# KiCad board boatcontrol.kicad_pcb
title: BoatControl; date: 2021-05-05; rev: 11; company: Rugludallur; note: A complete elecrical system for marine application; note: https://github.com/antevens/boatcontrol; note: a@ant.st; note: da722b84cf2b5c5cf669b6b47f6fbf1dc74fe127
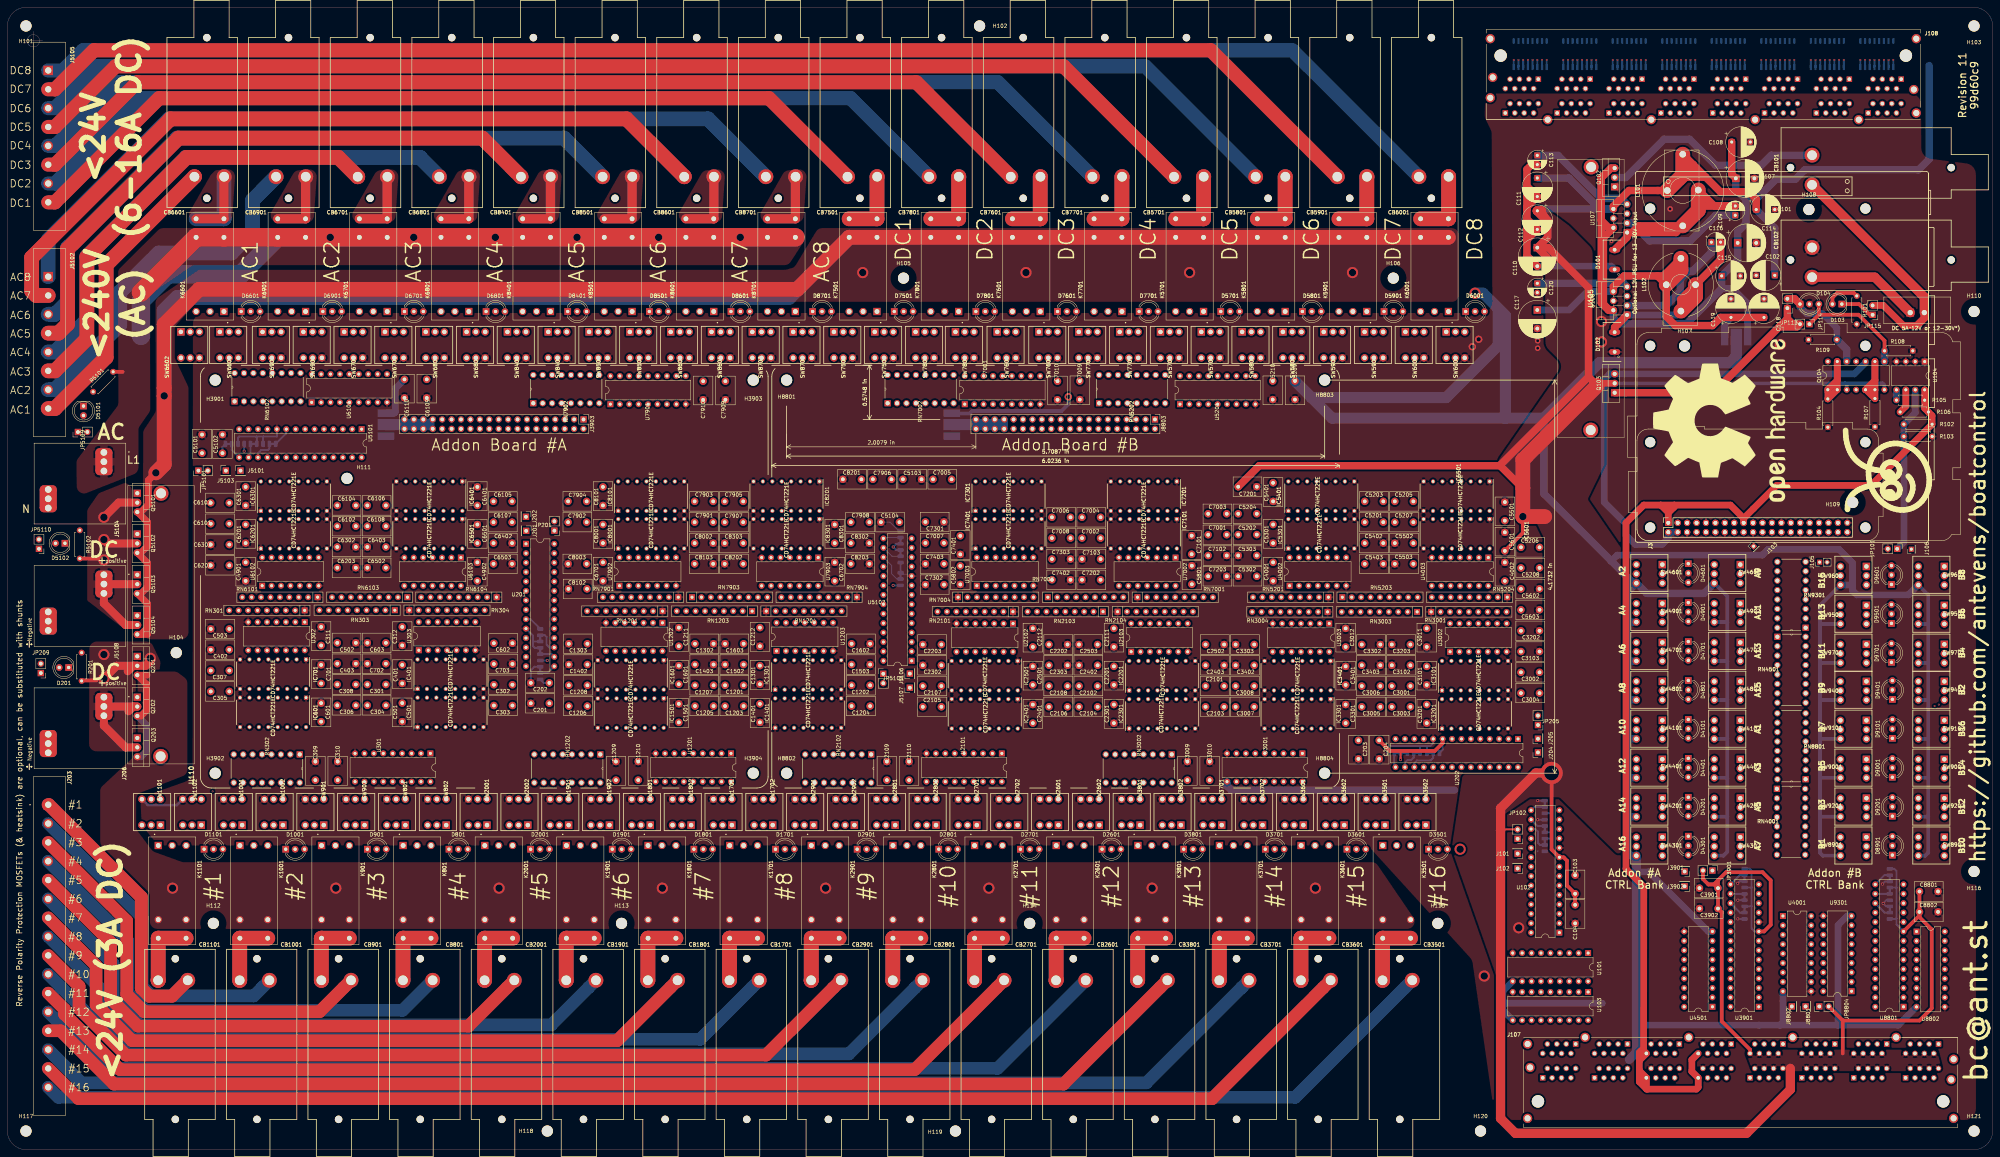
[diagram p0: board, top side]
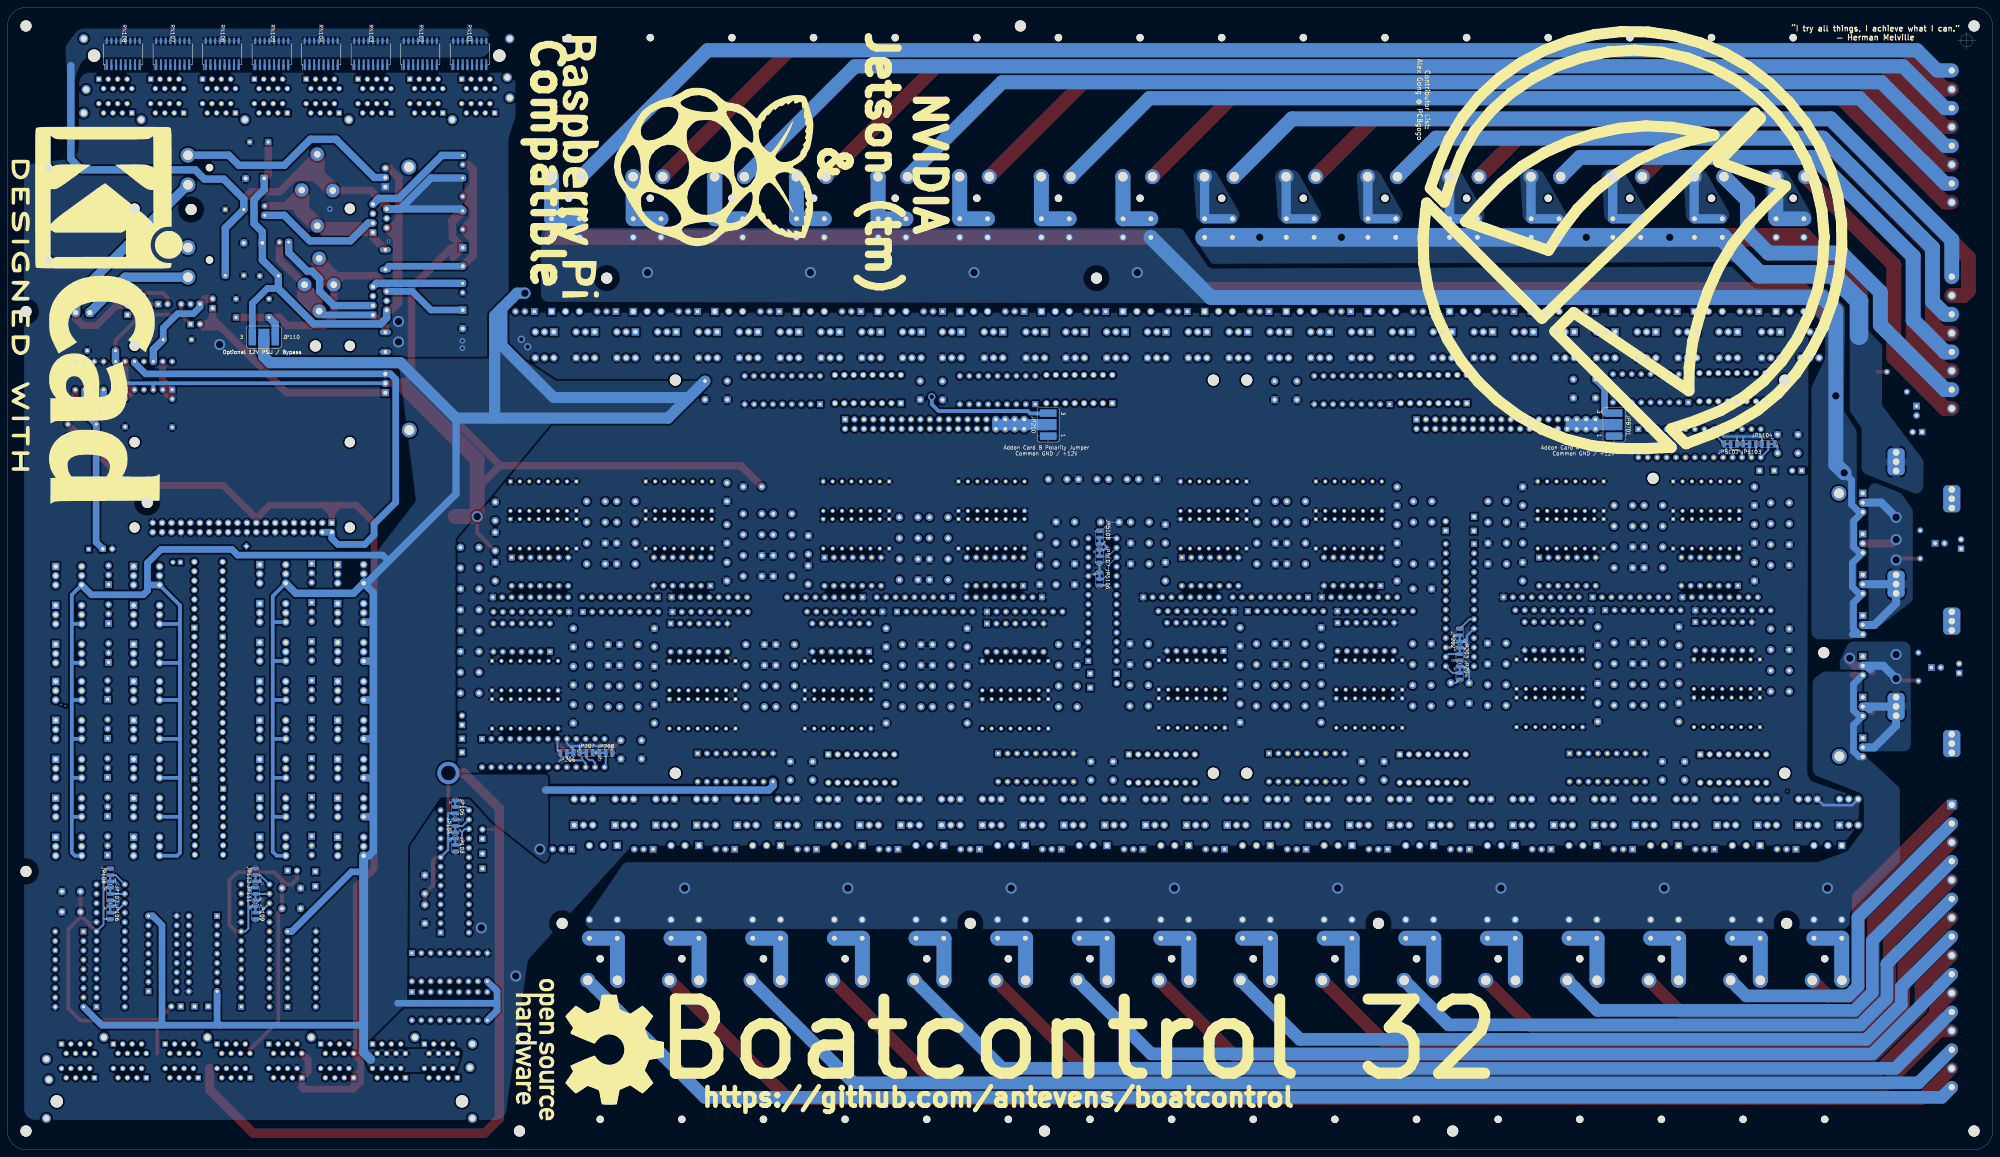
[diagram p1: board, bottom side, seen from below]

Outline 535 x 308 mm; copper layers: Top (plane), In1.Cu, In2.Cu, Bottom (plane). Coordinates in mm from the lower left corner of the outline.
Outline path: 0,303 0,5 arc(1.46,1.46) 5,0 530,0 arc(533.54,1.46) 535,5 535,303 arc(533.54,306.54) 530,308 5,308 arc(1.46,306.54) 0,303

## Placement (name value [footprint] x y rotation side)
C101  10uF  [CP_Radial_D8.0mm_P5.00mm]  471.3 253.5 0 top
C102  0.1uF  [CP_Radial_D8.0mm_P5.00mm]  476.3 235.75 180 top
C103  10uF  [C_Disc_D7.5mm_W5.0mm_P5.00mm]  422.5 69 90 top
C104  0.1uF  [C_Disc_D7.5mm_W5.0mm_P5.00mm]  422.5 66 270 top
C107  Illinois Capacitor  [CP_Radial_D10.0mm_P5.00mm]  465.8 261.9 0 top
C108  0.22uF  [CP_Radial_D8.0mm_P5.00mm]  464.7 271.7 0 top
C109  C320C103K1R5TA  [CP_Radial_D5.0mm_P2.50mm]  465.65 251.95 90 top
C110  330UF  [CP_Radial_D10.0mm_P5.00mm]  412.3 243.22 270 top
C111  0.22uF  [CP_Radial_D8.0mm_P5.00mm]  412.3 262 270 top
C112  10uF  [CP_Radial_D8.0mm_P5.00mm]  412.3 253.14 270 top
C113  C315C102K1R5TA7301  [CP_Radial_D5.0mm_P2.50mm]  412.3 268.1 270 top
C114  Illinois Capacitor  [CP_Radial_D10.0mm_P5.00mm]  466.3 244.5 0 top
C115  0.22uF  [CP_Radial_D8.0mm_P5.00mm]  462 235.6 0 top
C116  C320C103K1R5TA  [CP_Radial_D5.0mm_P2.50mm]  459.2 244.7 0 top
C117  330UF  [CP_Radial_D10.0mm_P5.00mm]  412.3 226.4 270 top
C118  0.22uF  [CP_Radial_D8.0mm_P5.00mm]  473.4 224.4 90 top
C119  10uF  [CP_Radial_D8.0mm_P5.00mm]  464.5 224.4 90 top
C120  C315C272K1R5TA  [CP_Radial_D5.0mm_P2.50mm]  412.3 233.6 270 top
C201  10μF  [C_Disc_D7.5mm_W5.0mm_P5.00mm]  146.05 120.35 180 top
C202  0.1μF  [C_Disc_D7.5mm_W5.0mm_P5.00mm]  146.05 125.85 180 top
C203  10μF  [C_Disc_D7.5mm_W5.0mm_P5.00mm]  364.11 110.35 270 top
C204  0.1μF  [C_Disc_D7.5mm_W5.0mm_P5.00mm]  369.7 110.35 270 top
C301  1µF  [C_Disc_D7.5mm_W5.0mm_P5.00mm]  102 125.42 180 top
C302  1uF  [C_Disc_D7.5mm_W5.0mm_P5.00mm]  136.1 125.35 180 top
C303  1µF  [C_Disc_D7.5mm_W5.0mm_P5.00mm]  131.1 119.75 0 top
C304  1µF  [C_Disc_D7.5mm_W5.0mm_P5.00mm]  102 119.8 180 top
C305  1µF  [C_Disc_D7.5mm_W5.0mm_P5.00mm]  54.8 123.55 0 top
C306  1µF  [C_Disc_D7.5mm_W5.0mm_P5.00mm]  88.9 119.8 0 top
C307  1µF  [C_Disc_D7.5mm_W5.0mm_P5.00mm]  54.8 129.18 0 top
C308  1µF  [C_Disc_D7.5mm_W5.0mm_P5.00mm]  88.9 125.42 0 top
C309  10uF  [C_Disc_D7.5mm_W5.0mm_P5.00mm]  83 99.63 90 top
C310  0.1uF  [C_Disc_D7.5mm_W5.0mm_P5.00mm]  89 99.63 90 top
C311  0.1uF  [C_Disc_D7.5mm_W5.0mm_P5.00mm]  84.55 135.95 90 top
C312  0.1uF  [C_Disc_D7.5mm_W5.0mm_P5.00mm]  106.4 140.95 270 top
C401  0.1μF  [C_Disc_D7.5mm_W5.0mm_P5.00mm]  106.4 130.7 270 top
C402  1µF  [C_Disc_D7.5mm_W5.0mm_P5.00mm]  54.8 134.8 0 top
C403  1µF  [C_Disc_D7.5mm_W5.0mm_P5.00mm]  93.9 131.03 180 top
C501  0.1μF  [C_Disc_D7.5mm_W5.0mm_P5.00mm]  106.4 120.4 270 top
C502  1µF  [C_Disc_D7.5mm_W5.0mm_P5.00mm]  93.9 136.65 180 top
C503  1µF  [C_Disc_D7.5mm_W5.0mm_P5.00mm]  54.8 140.4 0 top
C601  0.1μF  [C_Disc_D7.5mm_W5.0mm_P5.00mm]  84.55 115.4 90 top
C602  1µF  [C_Disc_D7.5mm_W5.0mm_P5.00mm]  136.1 136.55 180 top
C603  1µF  [C_Disc_D7.5mm_W5.0mm_P5.00mm]  97 136.65 0 top
C701  0.1μF  [C_Disc_D7.5mm_W5.0mm_P5.00mm]  84.55 125.7 90 top
C702  1µF  [C_Disc_D7.5mm_W5.0mm_P5.00mm]  97 131.03 0 top
C703  1µF  [C_Disc_D7.5mm_W5.0mm_P5.00mm]  136.1 130.95 180 top
C1201  1µF  [C_Disc_D7.5mm_W5.0mm_P5.00mm]  198.4 125.2 180 top
C1202  1uF  [C_Disc_D7.5mm_W5.0mm_P5.00mm]  232.5 125.2 180 top
C1203  1µF  [C_Disc_D7.5mm_W5.0mm_P5.00mm]  193.4 119.6 0 top
C1204  1µF  [C_Disc_D7.5mm_W5.0mm_P5.00mm]  227.5 119.6 0 top
C1205  1µF  [C_Disc_D7.5mm_W5.0mm_P5.00mm]  185.3 119.6 0 top
C1206  1µF  [C_Disc_D7.5mm_W5.0mm_P5.00mm]  151.3 119.6 0 top
C1207  1µF  [C_Disc_D7.5mm_W5.0mm_P5.00mm]  190.3 125.2 180 top
C1208  1µF  [C_Disc_D7.5mm_W5.0mm_P5.00mm]  156.3 125.2 180 top
C1209  10uF  [C_Disc_D7.5mm_W5.0mm_P5.00mm]  164 99.63 90 top
C1210  0.1uF  [C_Disc_D7.5mm_W5.0mm_P5.00mm]  170 99.63 90 top
C1211  0.1uF  [C_Disc_D7.5mm_W5.0mm_P5.00mm]  180.95 135.75 90 top
C1212  0.1uF  [C_Disc_D7.5mm_W5.0mm_P5.00mm]  202.8 140.75 270 top
C1301  0.1μF  [C_Disc_D7.5mm_W5.0mm_P5.00mm]  202.8 130.5 270 top
C1302  1µF  [C_Disc_D7.5mm_W5.0mm_P5.00mm]  190.3 136.4 180 top
C1303  1µF  [C_Disc_D7.5mm_W5.0mm_P5.00mm]  151.3 136.4 0 top
C1401  0.1μF  [C_Disc_D7.5mm_W5.0mm_P5.00mm]  202.8 120.2 270 top
C1402  1µF  [C_Disc_D7.5mm_W5.0mm_P5.00mm]  151.3 130.8 0 top
C1403  1µF  [C_Disc_D7.5mm_W5.0mm_P5.00mm]  190.3 130.8 180 top
C1501  0.1μF  [C_Disc_D7.5mm_W5.0mm_P5.00mm]  180.95 115.2 90 top
C1502  1µF  [C_Disc_D7.5mm_W5.0mm_P5.00mm]  193.4 130.8 0 top
C1503  1µF  [C_Disc_D7.5mm_W5.0mm_P5.00mm]  232.5 130.8 180 top
C1601  0.1μF  [C_Disc_D7.5mm_W5.0mm_P5.00mm]  180.95 125.5 90 top
C1602  1µF  [C_Disc_D7.5mm_W5.0mm_P5.00mm]  232.5 136.4 180 top
C1603  1µF  [C_Disc_D7.5mm_W5.0mm_P5.00mm]  193.4 136.4 0 top
C2101  1µF  [C_Disc_D7.5mm_W5.0mm_P5.00mm]  327.9 125 180 top
C2102  1uF  [C_Disc_D7.5mm_W5.0mm_P5.00mm]  293.8 125 180 top
C2103  1µF  [C_Disc_D7.5mm_W5.0mm_P5.00mm]  322.9 119.4 0 top
C2104  1µF  [C_Disc_D7.5mm_W5.0mm_P5.00mm]  288.8 119.4 0 top
C2105  1µF  [C_Disc_D7.5mm_W5.0mm_P5.00mm]  246.7 119.4 0 top
C2106  1µF  [C_Disc_D7.5mm_W5.0mm_P5.00mm]  280.7 119.4 0 top
C2107  1µF  [C_Disc_D7.5mm_W5.0mm_P5.00mm]  251.7 125 180 top
C2108  1µF  [C_Disc_D7.5mm_W5.0mm_P5.00mm]  285.7 125 180 top
C2109  10uF  [C_Disc_D7.5mm_W5.0mm_P5.00mm]  237 99.63 90 top
C2110  0.1uF  [C_Disc_D7.5mm_W5.0mm_P5.00mm]  243 99.63 90 top
C2111  0.1uF  [C_Disc_D7.5mm_W5.0mm_P5.00mm]  298.2 140.55 270 top
C2112  0.1uF  [C_Disc_D7.5mm_W5.0mm_P5.00mm]  276.35 135.55 90 top
C2201  0.1μF  [C_Disc_D7.5mm_W5.0mm_P5.00mm]  298.2 130.3 270 top
C2202  1µF  [C_Disc_D7.5mm_W5.0mm_P5.00mm]  285.7 136.2 180 top
C2203  1µF  [C_Disc_D7.5mm_W5.0mm_P5.00mm]  246.7 136.2 0 top
C2301  0.1μF  [C_Disc_D7.5mm_W5.0mm_P5.00mm]  298.2 120 270 top
C2302  1µF  [C_Disc_D7.5mm_W5.0mm_P5.00mm]  246.7 130.6 0 top
C2303  1µF  [C_Disc_D7.5mm_W5.0mm_P5.00mm]  285.7 130.6 180 top
C2401  0.1μF  [C_Disc_D7.5mm_W5.0mm_P5.00mm]  276.35 115 90 top
C2402  1µF  [C_Disc_D7.5mm_W5.0mm_P5.00mm]  288.8 130.6 0 top
C2403  1µF  [C_Disc_D7.5mm_W5.0mm_P5.00mm]  327.9 130.6 180 top
C2501  0.1μF  [C_Disc_D7.5mm_W5.0mm_P5.00mm]  276.35 125.3 90 top
C2502  1µF  [C_Disc_D7.5mm_W5.0mm_P5.00mm]  327.9 136.2 180 top
C2503  1µF  [C_Disc_D7.5mm_W5.0mm_P5.00mm]  288.8 136.2 0 top
C3001  1µF  [C_Disc_D7.5mm_W5.0mm_P5.00mm]  378.1 125 180 top
C3002  1uF  [C_Disc_D7.5mm_W5.0mm_P5.00mm]  407.9 128.7 0 top
C3003  1µF  [C_Disc_D7.5mm_W5.0mm_P5.00mm]  378.1 119.4 180 top
C3004  1µF  [C_Disc_D7.5mm_W5.0mm_P5.00mm]  407.9 123.1 0 top
C3005  1µF  [C_Disc_D7.5mm_W5.0mm_P5.00mm]  365 119.4 0 top
C3006  1µF  [C_Disc_D7.5mm_W5.0mm_P5.00mm]  365 125 0 top
C3007  1µF  [C_Disc_D7.5mm_W5.0mm_P5.00mm]  336 119.4 180 top
C3008  1µF  [C_Disc_D7.5mm_W5.0mm_P5.00mm]  336 125 180 top
C3009  10uF  [C_Disc_D7.5mm_W5.0mm_P5.00mm]  318 99.63 90 top
C3010  0.1uF  [C_Disc_D7.5mm_W5.0mm_P5.00mm]  324 99.63 90 top
C3011  0.1uF  [C_Disc_D7.5mm_W5.0mm_P5.00mm]  382.5 140.55 270 top
C3012  0.1uF  [C_Disc_D7.5mm_W5.0mm_P5.00mm]  360.65 135.55 90 top
C3101  0.1μF  [C_Disc_D7.5mm_W5.0mm_P5.00mm]  382.5 130.3 270 top
C3102  1µF  [C_Disc_D7.5mm_W5.0mm_P5.00mm]  373.1 130.6 0 top
C3103  1µF  [C_Disc_D7.5mm_W5.0mm_P5.00mm]  412.9 134.3 180 top
C3201  0.1μF  [C_Disc_D7.5mm_W5.0mm_P5.00mm]  382.5 120 270 top
C3202  1µF  [C_Disc_D7.5mm_W5.0mm_P5.00mm]  412.9 139.9 180 top
C3203  1µF  [C_Disc_D7.5mm_W5.0mm_P5.00mm]  373.1 136.2 0 top
C3301  0.1μF  [C_Disc_D7.5mm_W5.0mm_P5.00mm]  360.65 115 90 top
C3302  1µF  [C_Disc_D7.5mm_W5.0mm_P5.00mm]  370 136.2 180 top
C3303  1µF  [C_Disc_D7.5mm_W5.0mm_P5.00mm]  331 136.2 0 top
C3401  0.1μF  [C_Disc_D7.5mm_W5.0mm_P5.00mm]  360.65 125.3 90 top
C3402  1µF  [C_Disc_D7.5mm_W5.0mm_P5.00mm]  331 130.6 0 top
C3403  1µF  [C_Disc_D7.5mm_W5.0mm_P5.00mm]  370 130.6 180 top
C3901  10uF  [C_Disc_D7.5mm_W5.0mm_P5.00mm]  461 70.5 180 top
C3902  0.1uF  [C_Disc_D7.5mm_W5.0mm_P5.00mm]  461 65 180 top
C4001  0.1uF  [C_Disc_D7.5mm_W5.0mm_P5.00mm]  341.1 158.35 270 top
C4002  0.1uF  [C_Disc_D7.5mm_W5.0mm_P5.00mm]  403.55 153.35 90 top
C4901  0.1uF  [C_Disc_D7.5mm_W5.0mm_P5.00mm]  64.2 158.35 270 top
C4902  0.1uF  [C_Disc_D7.5mm_W5.0mm_P5.00mm]  126.65 153.35 90 top
C5101  10μF  [C_Disc_D7.5mm_W5.0mm_P5.00mm]  52.45 187.81 90 top
C5102  0.1μF  [C_Disc_D7.5mm_W5.0mm_P5.00mm]  57.95 187.81 90 top
C5103  10μF  [C_Disc_D7.5mm_W5.0mm_P5.00mm]  241.35 180.75 0 top
C5104  0.1μF  [C_Disc_D7.5mm_W5.0mm_P5.00mm]  240.4 169.19 180 top
C5201  1µF  [C_Disc_D7.5mm_W5.0mm_P5.00mm]  365.8 169.19 0 top
C5202  1µF  [C_Disc_D7.5mm_W5.0mm_P5.00mm]  336.7 165.84 180 top
C5203  1µF  [C_Disc_D7.5mm_W5.0mm_P5.00mm]  365.8 174.8 0 top
C5204  1µF  [C_Disc_D7.5mm_W5.0mm_P5.00mm]  336.7 171.45 180 top
C5205  1µF  [C_Disc_D7.5mm_W5.0mm_P5.00mm]  378.9 174.8 180 top
C5206  1µF  [C_Disc_D7.5mm_W5.0mm_P5.00mm]  407.9 162.4 0 top
C5207  1µF  [C_Disc_D7.5mm_W5.0mm_P5.00mm]  378.9 169.19 180 top
C5208  1µF  [C_Disc_D7.5mm_W5.0mm_P5.00mm]  412.9 156.85 180 top
C5209  10uF  [C_Disc_D7.5mm_W5.0mm_P5.00mm]  347 207.25 270 top
C5210  0.1uF  [C_Disc_D7.5mm_W5.0mm_P5.00mm]  341 207.25 270 top
C5301  0.1μF  [C_Disc_D7.5mm_W5.0mm_P5.00mm]  341.1 168.55 270 top
C5302  1µF  [C_Disc_D7.5mm_W5.0mm_P5.00mm]  331.7 154.6 0 top
C5303  1µF  [C_Disc_D7.5mm_W5.0mm_P5.00mm]  331.7 160.19 0 top
C5401  0.1μF  [C_Disc_D7.5mm_W5.0mm_P5.00mm]  341.1 179.8 270 top
C5402  1µF  [C_Disc_D7.5mm_W5.0mm_P5.00mm]  370.8 163.54 180 top
C5403  1µF  [C_Disc_D7.5mm_W5.0mm_P5.00mm]  370.8 157.95 180 top
C5501  0.1μF  [C_Disc_D7.5mm_W5.0mm_P5.00mm]  403.55 169.6 90 top
C5502  1µF  [C_Disc_D7.5mm_W5.0mm_P5.00mm]  373.9 163.54 0 top
C5503  1µF  [C_Disc_D7.5mm_W5.0mm_P5.00mm]  373.9 157.95 0 top
C5601  0.1μF  [C_Disc_D7.5mm_W5.0mm_P5.00mm]  403.55 161.45 90 top
C5602  1µF  [C_Disc_D7.5mm_W5.0mm_P5.00mm]  412.9 151.2 180 top
C5603  1µF  [C_Disc_D7.5mm_W5.0mm_P5.00mm]  412.9 145.55 180 top
C5801  0.1uF  [C_Disc_D7.5mm_W5.0mm_P5.00mm]  319.2 152.45 90 top
C5802  0.1uF  [C_Disc_D7.5mm_W5.0mm_P5.00mm]  256.8 157.4 270 top
C6101  1µF  [C_Disc_D7.5mm_W5.0mm_P5.00mm]  54.8 168.78 0 top
C6102  1µF  [C_Disc_D7.5mm_W5.0mm_P5.00mm]  88.9 168.1 0 top
C6103  1µF  [C_Disc_D7.5mm_W5.0mm_P5.00mm]  59.8 174.4 180 top
C6104  1µF  [C_Disc_D7.5mm_W5.0mm_P5.00mm]  88.9 173.7 0 top
C6105  1µF  [C_Disc_D7.5mm_W5.0mm_P5.00mm]  131 174.8 0 top
C6106  1µF  [C_Disc_D7.5mm_W5.0mm_P5.00mm]  102 173.7 180 top
C6107  1µF  [C_Disc_D7.5mm_W5.0mm_P5.00mm]  131 169.19 0 top
C6108  1µF  [C_Disc_D7.5mm_W5.0mm_P5.00mm]  102 168.1 180 top
C6109  10uF  [C_Disc_D7.5mm_W5.0mm_P5.00mm]  113 207.7 270 top
C6110  0.1uF  [C_Disc_D7.5mm_W5.0mm_P5.00mm]  107 207.7 270 top
C6201  0.1μF  [C_Disc_D7.5mm_W5.0mm_P5.00mm]  64.2 168.55 270 top
C6202  1µF  [C_Disc_D7.5mm_W5.0mm_P5.00mm]  54.8 157.55 0 top
C6203  1µF  [C_Disc_D7.5mm_W5.0mm_P5.00mm]  93.9 156.9 180 top
C6301  0.1μF  [C_Disc_D7.5mm_W5.0mm_P5.00mm]  64.2 178.7 270 top
C6302  1µF  [C_Disc_D7.5mm_W5.0mm_P5.00mm]  93.9 162.5 180 top
C6303  1µF  [C_Disc_D7.5mm_W5.0mm_P5.00mm]  54.8 163.15 0 top
C6401  0.1μF  [C_Disc_D7.5mm_W5.0mm_P5.00mm]  126.65 173.7 90 top
C6402  1µF  [C_Disc_D7.5mm_W5.0mm_P5.00mm]  136 163.54 180 top
C6403  1µF  [C_Disc_D7.5mm_W5.0mm_P5.00mm]  97 162.5 0 top
C6501  0.1μF  [C_Disc_D7.5mm_W5.0mm_P5.00mm]  126.65 163.55 90 top
C6502  1µF  [C_Disc_D7.5mm_W5.0mm_P5.00mm]  97 156.9 0 top
C6503  1µF  [C_Disc_D7.5mm_W5.0mm_P5.00mm]  136 157.95 180 top
C6701  0.1uF  [C_Disc_D7.5mm_W5.0mm_P5.00mm]  160.5 158.35 270 top
C6702  0.1uF  [C_Disc_D7.5mm_W5.0mm_P5.00mm]  222.95 153.35 90 top
C7001  1µF  [C_Disc_D7.5mm_W5.0mm_P5.00mm]  328.6 165.8 180 top
C7002  1µF  [C_Disc_D7.5mm_W5.0mm_P5.00mm]  294.6 164.89 180 top
C7003  1µF  [C_Disc_D7.5mm_W5.0mm_P5.00mm]  328.6 171.45 180 top
C7004  1µF  [C_Disc_D7.5mm_W5.0mm_P5.00mm]  294.6 170.5 180 top
C7005  1µF  [C_Disc_D7.5mm_W5.0mm_P5.00mm]  254.45 180.75 180 top
C7006  1µF  [C_Disc_D7.5mm_W5.0mm_P5.00mm]  281.5 170.5 0 top
C7007  1µF  [C_Disc_D7.5mm_W5.0mm_P5.00mm]  252.4 163.59 180 top
C7008  1µF  [C_Disc_D7.5mm_W5.0mm_P5.00mm]  281.5 164.89 0 top
C7009  10uF  [C_Disc_D7.5mm_W5.0mm_P5.00mm]  289 207.25 270 top
C7010  0.1uF  [C_Disc_D7.5mm_W5.0mm_P5.00mm]  283 207.2 270 top
C7101  0.1μF  [C_Disc_D7.5mm_W5.0mm_P5.00mm]  319.15 160.55 90 top
C7102  1µF  [C_Disc_D7.5mm_W5.0mm_P5.00mm]  328.6 160.19 180 top
C7103  1µF  [C_Disc_D7.5mm_W5.0mm_P5.00mm]  289.6 159.24 0 top
C7201  0.1μF  [C_Disc_D7.5mm_W5.0mm_P5.00mm]  331.7 178.75 0 top
C7202  1µF  [C_Disc_D7.5mm_W5.0mm_P5.00mm]  289.6 153.65 0 top
C7203  1µF  [C_Disc_D7.5mm_W5.0mm_P5.00mm]  328.6 154.6 180 top
C7301  0.1μF  [C_Disc_D7.5mm_W5.0mm_P5.00mm]  247.4 169.25 0 top
C7302  1µF  [C_Disc_D7.5mm_W5.0mm_P5.00mm]  247.4 152.35 0 top
C7303  1µF  [C_Disc_D7.5mm_W5.0mm_P5.00mm]  286.5 159.24 180 top
C7401  0.1μF  [C_Disc_D7.5mm_W5.0mm_P5.00mm]  256.8 165.5 270 top
C7402  1µF  [C_Disc_D7.5mm_W5.0mm_P5.00mm]  286.5 153.65 180 top
C7403  1µF  [C_Disc_D7.5mm_W5.0mm_P5.00mm]  247.4 157.94 0 top
C7901  1µF  [C_Disc_D7.5mm_W5.0mm_P5.00mm]  185.2 169.19 0 top
C7902  1µF  [C_Disc_D7.5mm_W5.0mm_P5.00mm]  156.1 169.19 180 top
C7903  1µF  [C_Disc_D7.5mm_W5.0mm_P5.00mm]  185.2 174.8 0 top
C7904  1µF  [C_Disc_D7.5mm_W5.0mm_P5.00mm]  156.1 174.8 180 top
C7905  1µF  [C_Disc_D7.5mm_W5.0mm_P5.00mm]  198.3 174.8 180 top
C7906  1µF  [C_Disc_D7.5mm_W5.0mm_P5.00mm]  233.25 180.75 0 top
C7907  1µF  [C_Disc_D7.5mm_W5.0mm_P5.00mm]  198.3 169.19 180 top
C7908  1µF  [C_Disc_D7.5mm_W5.0mm_P5.00mm]  227.3 169.19 0 top
C7909  10uF  [C_Disc_D7.5mm_W5.0mm_P5.00mm]  193.5 207.2 270 top
C7910  0.1uF  [C_Disc_D7.5mm_W5.0mm_P5.00mm]  187.5 207.2 270 top
C8001  0.1μF  [C_Disc_D7.5mm_W5.0mm_P5.00mm]  160.5 168.55 270 top
C8002  1µF  [C_Disc_D7.5mm_W5.0mm_P5.00mm]  190.2 163.54 180 top
C8003  1µF  [C_Disc_D7.5mm_W5.0mm_P5.00mm]  151.1 157.95 0 top
C8101  0.1μF  [C_Disc_D7.5mm_W5.0mm_P5.00mm]  160.5 178.7 270 top
C8102  1µF  [C_Disc_D7.5mm_W5.0mm_P5.00mm]  151.2 151.2 0 top
C8103  1µF  [C_Disc_D7.5mm_W5.0mm_P5.00mm]  190.2 157.95 180 top
C8201  0.1μF  [C_Disc_D7.5mm_W5.0mm_P5.00mm]  230.15 180.75 180 top
C8202  1µF  [C_Disc_D7.5mm_W5.0mm_P5.00mm]  193.3 157.95 0 top
C8203  1µF  [C_Disc_D7.5mm_W5.0mm_P5.00mm]  232.3 157.95 180 top
C8301  0.1μF  [C_Disc_D7.5mm_W5.0mm_P5.00mm]  222.95 163.55 90 top
C8302  1µF  [C_Disc_D7.5mm_W5.0mm_P5.00mm]  232.3 163.54 180 top
C8303  1µF  [C_Disc_D7.5mm_W5.0mm_P5.00mm]  193.3 163.54 0 top
C8801  10uF  [C_Disc_D7.5mm_W5.0mm_P5.00mm]  515.3 69.6 0 top
C8802  0.1uF  [C_Disc_D7.5mm_W5.0mm_P5.00mm]  515.3 64.1 0 top
CB101  SchurterCircuitBreaker 3a  [Schurter_Circuit_Breaker]  478 264.8 90 top
CB102  SchurterCircuitBreaker 3a  [Schurter_Circuit_Breaker]  478 239.9 90 top
CB801  T9-818 3  [Schurter_Circuit_Breaker]  111.25 54 0 top
CB901  T9-818 3  [Schurter_Circuit_Breaker]  89.25 54 0 top
CB1001  T9-818 3  [Schurter_Circuit_Breaker]  67.25 54 0 top
CB1101  T9-818 3  [Schurter_Circuit_Breaker]  45.25 54 0 top
CB1701  T9-818 3  [Schurter_Circuit_Breaker]  199.25 54 0 top
CB1801  T9-818 3  [Schurter_Circuit_Breaker]  177.25 54 0 top
CB1901  T9-818 3  [Schurter_Circuit_Breaker]  155.25 54 0 top
CB2001  T9-818 3  [Schurter_Circuit_Breaker]  133.25 54 0 top
CB2601  T9-818 3  [Schurter_Circuit_Breaker]  287.25 54 0 top
CB2701  T9-818 3  [Schurter_Circuit_Breaker]  265.25 54 0 top
CB2801  T9-818 3  [Schurter_Circuit_Breaker]  243.25 54 0 top
CB2901  T9-818 3  [Schurter_Circuit_Breaker]  221.25 54 0 top
CB3501  T9-818 3  [Schurter_Circuit_Breaker]  375.25 54 0 top
CB3601  T9-818 3  [Schurter_Circuit_Breaker]  353.25 54 0 top
CB3701  T9-818 3  [Schurter_Circuit_Breaker]  331.25 54 0 top
CB3801  T9-818 3  [Schurter_Circuit_Breaker]  309.25 54 0 top
CB5701  T9-818 6A  [Schurter_Circuit_Breaker]  317.75 254 180 top
CB5801  T9-818 6A  [Schurter_Circuit_Breaker]  339.75 254 180 top
CB5901  T9-818 6A  [Schurter_Circuit_Breaker]  361.75 254 180 top
CB6001  T9-818 6A  [Schurter_Circuit_Breaker]  383.75 254 180 top
CB6601  T9-818 16A  [Schurter_Circuit_Breaker]  53.75 254 180 top
CB6701  T9-818 10A  [Schurter_Circuit_Breaker]  97.75 254 180 top
CB6801  T9-818 10A  [Schurter_Circuit_Breaker]  119.75 254 180 top
CB6901  T9-818 16A  [Schurter_Circuit_Breaker]  75.75 254 180 top
CB7501  T9-818 16A  [Schurter_Circuit_Breaker]  229.75 254 180 top
CB7601  T9-818 10A  [Schurter_Circuit_Breaker]  273.75 254 180 top
CB7701  T9-818 10A  [Schurter_Circuit_Breaker]  295.75 254 180 top
CB7801  T9-818 16A  [Schurter_Circuit_Breaker]  251.75 254 180 top
CB8401  T9-818 6A  [Schurter_Circuit_Breaker]  141.75 254 180 top
CB8501  T9-818 6A  [Schurter_Circuit_Breaker]  163.75 254 180 top
CB8601  T9-818 6A  [Schurter_Circuit_Breaker]  185.75 254 180 top
CB8701  T9-818 6A  [Schurter_Circuit_Breaker]  207.75 254 180 top
D101  MBR745  [TO-220]  433.14 239.99 90 top
D102  MBR745  [TO-220]  433.14 217.76 90 top
D103  20mA R/G Bicolor  [LED_D5.0mm]  494.37 228 180 top
D104  20mA R/G CC  [LED_D5.0mm-3]  483.1 228 0 top
D201  20mA R/G Bicolor  [LED_D5.0mm]  16.5 130 180 top
D801  20mA R/G CA  [LED_D5.0mm-3]  119 81 0 top
D901  20mA R/G CA  [LED_D5.0mm-3]  97 81 0 top
D1001  20mA R/G CA  [LED_D5.0mm-3]  75 81 0 top
D1101  20mA R/G CA  [LED_D5.0mm-3]  53 81 0 top
D1701  20mA R/G CA  [LED_D5.0mm-3]  207 81 0 top
D1801  20mA R/G CA  [LED_D5.0mm-3]  185 81 0 top
D1901  20mA R/G CA  [LED_D5.0mm-3]  163 81 0 top
D2001  20mA R/G CA  [LED_D5.0mm-3]  141 81 0 top
D2601  20mA R/G CA  [LED_D5.0mm-3]  295 81 0 top
D2701  20mA R/G CA  [LED_D5.0mm-3]  273 81 0 top
D2801  20mA R/G CA  [LED_D5.0mm-3]  251 81 0 top
D2901  20mA R/G CA  [LED_D5.0mm-3]  229 81 0 top
D3501  20mA R/G CA  [LED_D5.0mm-3]  383 81 0 top
D3601  20mA R/G CA  [LED_D5.0mm-3]  361 81 0 top
D3701  20mA R/G CA  [LED_D5.0mm-3]  339 81 0 top
D3801  20mA R/G CA  [LED_D5.0mm-3]  317 81 0 top
D4101  20mA R/G CC  [LED_D5.0mm-3]  453 116 270 top
D4201  20mA R/G CC  [LED_D5.0mm-3]  453 95 270 top
D4301  20mA R/G CC  [LED_D5.0mm-3]  453 84.5 270 top
D4401  20mA R/G CC  [LED_D5.0mm-3]  453 105.5 270 top
D4601  20mA R/G CC  [LED_D5.0mm-3]  453 158 270 top
D4701  20mA R/G CC  [LED_D5.0mm-3]  453 137 270 top
D4801  20mA R/G CC  [LED_D5.0mm-3]  453 126.5 270 top
D4901  20mA R/G CC  [LED_D5.0mm-3]  453 147.5 270 top
D5101  20mA R/G Bicolor  [LED_D5.0mm]  20.5 200.5 270 top
D5102  20mA R/G Bicolor  [LED_D5.0mm]  15.5 163.5 180 top
D5701  20mA R/G CA  [LED_D5.0mm-3]  327 226 0 top
D5801  20mA R/G CA  [LED_D5.0mm-3]  349 226 0 top
D5901  20mA R/G CA  [LED_D5.0mm-3]  371 226 0 top
D6001  20mA R/G CA  [LED_D5.0mm-3]  393 226 0 top
D6601  20mA R/G CA  [LED_D5.0mm-3]  63 226 0 top
D6701  20mA R/G CA  [LED_D5.0mm-3]  107 226 0 top
D6801  20mA R/G CA  [LED_D5.0mm-3]  129 226 0 top
D6901  20mA R/G CA  [LED_D5.0mm-3]  85 226 0 top
D7501  20mA R/G CA  [LED_D5.0mm-3]  239 226 0 top
D7601  20mA R/G CA  [LED_D5.0mm-3]  283 226 0 top
D7701  20mA R/G CA  [LED_D5.0mm-3]  305 226 0 top
D7801  20mA R/G CA  [LED_D5.0mm-3]  261 226 0 top
D8401  20mA R/G CA  [LED_D5.0mm-3]  151 226 0 top
D8501  20mA R/G CA  [LED_D5.0mm-3]  173 226 0 top
D8601  20mA R/G CA  [LED_D5.0mm-3]  195 226 0 top
D8701  20mA R/G CA  [LED_D5.0mm-3]  217 226 0 top
D8901  20mA R/G CC  [LED_D5.0mm-3]  508 79.4 90 top
D9001  20mA R/G CC  [LED_D5.0mm-3]  508 100.4 90 top
D9101  20mA R/G CC  [LED_D5.0mm-3]  508 110.9 90 top
D9201  20mA R/G CC  [LED_D5.0mm-3]  508 89.9 90 top
D9401  20mA R/G CC  [LED_D5.0mm-3]  508 121.4 90 top
D9501  20mA R/G CC  [LED_D5.0mm-3]  507.75 141.9 90 top
D9601  20mA R/G CC  [LED_D5.0mm-3]  507.75 152.4 90 top
D9701  20mA R/G CC  [LED_D5.0mm-3]  507.75 131.4 90 top
G101  LOGO_ANT  [Ant_Logo_SilkScreen]  510.5 181.2 90 top
G102  LOGO_RUGLUDALLUR  [Rugludallur-Logo_SilkScreen]  98.5 246.5 225 bottom
G104  LOGO_RPI  [RPi_Logo_SilkScreen]  353 265 270 bottom
H101  MountingHole  [MountingHole_3mm]  5 303 0 top
H102  MountingHole  [MountingHole_3mm]  262 303 0 top
H103  MountingHole  [MountingHole_3mm]  530 303 0 top
H104  MountingHole  [MountingHole_3mm]  45.5 134 0 top
H105  MountingHole  [MountingHole_3mm]  241.5 235 0 top
H106  MountingHole  [MountingHole_3mm]  373.5 235 0 top
H107  MountingHole  [MountingHole_3mm]  452 216.7 0 top
H108  MountingHole  [MountingHole_3mm]  485.5 253.5 0 top
H109  MountingHole  [MountingHole_3mm]  497.3 174.5 0 top
H110  MountingHole  [MountingHole_3mm]  530 226 0 top
H111  MountingHole  [MountingHole_3mm]  91.5 181 0 top
H112  MountingHole  [MountingHole_3mm]  55.5 61 0 top
H113  MountingHole  [MountingHole_3mm]  165.5 61 0 top
H114  MountingHole  [MountingHole_3mm]  275.5 61 0 top
H115  MountingHole  [MountingHole_3mm]  385.5 61 0 top
H116  MountingHole  [MountingHole_3mm]  530 75 0 top
H117  MountingHole  [MountingHole_3mm]  5 5 0 top
H118  MountingHole  [MountingHole_3mm]  145.5 5 0 top
H119  MountingHole  [MountingHole_3mm]  255.5 5 0 top
H120  MountingHole  [MountingHole_3mm]  397 5 0 top